# Altium PCB LOGI-BONE.PcbDoc (part 3 of 4)
Units mil, origin at the board's own origin, x right, y up, seen from the top; angles counter-clockwise.
Board outline 3400 x 2252.63 mil, 4 copper layers (Top Layer, GND, VDD, Bottom Layer); 132 components, 150 nets, 640 pads, 358 vias.
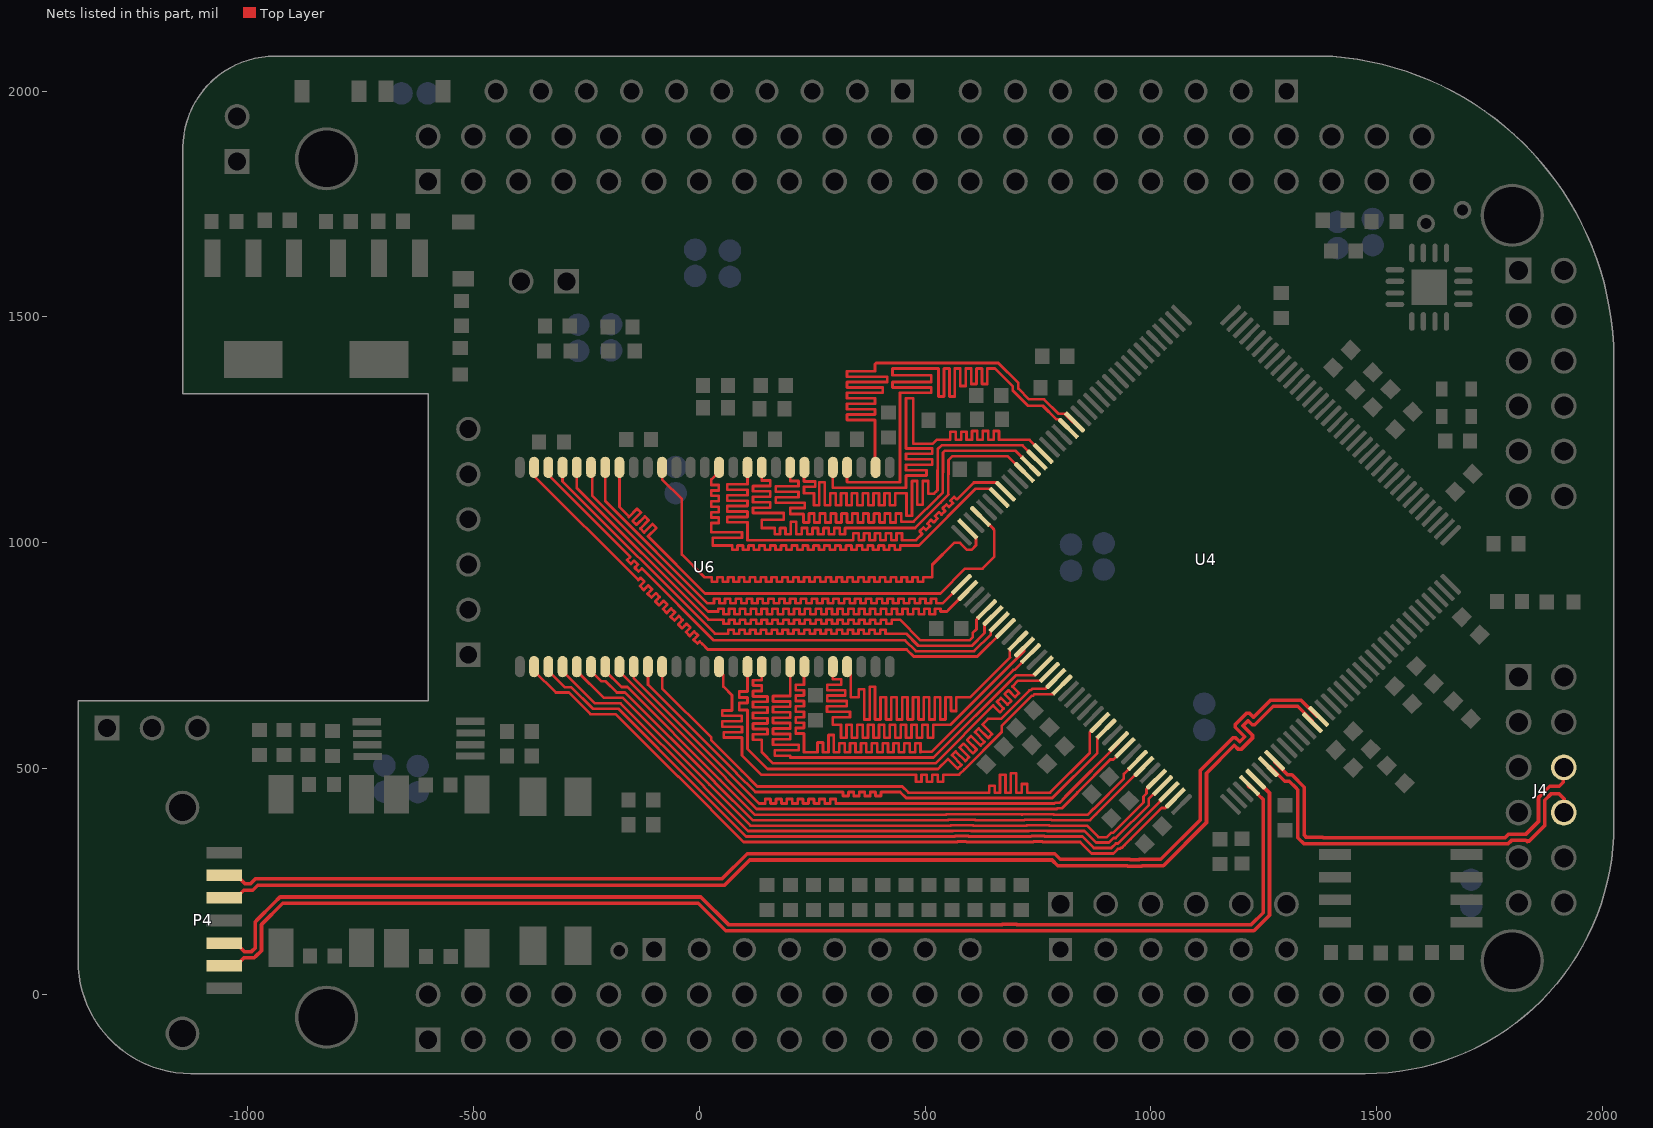
[diagram p5: the nets of this part, all layers, seen from the top]

## Via types
v1: diameter 27, hole 13, Top Layer to Bottom Layer, tented both sides, 194 vias
v2: diameter 27, hole 13, Top Layer to Bottom Layer, 158 vias
v3: diameter 25.98, hole 12.99, Top Layer to Bottom Layer, tented both sides, 4 vias
v4: diameter 27, hole 15, Top Layer to Bottom Layer, tented both sides, 2 vias

## Nets (pads, with @x,y where several pads share a name; then routed paths per layer and width w, separated by ;. In a path a pad name is that pad's centre, name@x,y a point inside that pad or via, vN(x,y) a via of type N, cw(c..) or ccw(c..) an arc to the next point about the centre after c; other vN are vias at no path point) (continued)
PMOD2_9_10_LVDS4_B_N: J4.10 U4.43 | length 903.2
  Top Layer w8: U4.43@1259.92,504.59 1264.41,504.59 1296.58,472.43 1306.37,472.43 1320.13,458.66 ; 1321.5,457.3 1325.35,453.45 1325.35,347.32 1338.73,333.93 1374.97,333.93 1375.37,333.53 1790.28,333.53 1798.05,341.31 1829.95,341.31 1833.02,338.23 1834.79,340 1837.62,340 1872,374.38 1872,430.28 1886.72,445 1902.96,445 1915,432.96 1914,431.96 J4.10@1914,402.81
PMOD2_9_10_LVDS4_B_P: J4.9 U4.44 | length 889.4
  Top Layer w8: U4.44@1273.84,518.51 1273.84,514.96 1302.38,486.43 1312.17,486.43 1339.35,459.25 1339.35,353.12 1344.53,347.93 1380.77,347.93 1381.17,347.53 1784.48,347.53 1792.25,355.31 1830.3,355.31 1858,383.01 1858,436.08 1865,443.08 1865,443.27 1882.73,461 1904,461 1913,470 1913,501.81 J4.9@1914,502.81
SATA_D1_N: P4.3 U4.40 | length 2725.9
  Top Layer w8: P4.3@-1051,114 -1026,114 -1007.22,95.22 -990.9,95.22 -983,103.12 -983,160.8 -978.9,164.9 -941.8,202 -927.8,216 3.71,216 64.71,155 670.8,155 671.3,155.5 702.36,155.5 702.86,155 1222.2,155 1248.5,181.3 1248.5,431.76 1237.59,442.67 1237.59,443.42 U4.40@1218.17,462.84
  Top Layer w10: U4.40@1216.86,462.84 U4.40@1218.17,462.84 1218.17,461.53 U4.40@1219.25,460.45
SATA_D1_P: P4.2 U4.41 | length 2758.3
  Top Layer w8: P4.2@-1051,64 -1025,64 -1007.78,81.22 -1001.2,81.22 -985.1,81.22 -981,85.32 -969,97.32 -969,155 -922,202 -2.09,202 58.91,141 676.6,141 677.1,141.5 696.56,141.5 697.06,141 1228,141 1262.5,175.5 1262.5,446.34 U4.41@1232.09,476.76
SATA_D2_N: P4.5 U4.50 | length 2737.3
  Top Layer w8: P4.5@-1051,214 -1025,214 -1008,231 -988.3,231 -977.3,242 56,242 112,298 781.2,298 793.7,285.5 947.47,285.5 948.47,284.5 979.53,284.5 980.53,285.5 1027.72,285.5 1123,380.78 1123,490.23 1184.57,551.8 1193.69,542.68 1199.49,542.68 1224.8,568 1224.8,573.8 1203.66,594.94 1214.98,606.25 1224.1,597.13 1229.9,597.13 1270.77,638 1325.29,638 1357.36,605.93 U4.50@1357.36,602.03
SATA_D2_P: P4.6 U4.51 | length 2749.8
  Top Layer w8: P4.6@-1051,264 -1024,264 -1005,245 -994.1,245 -983.1,256 50.2,256 106.2,312 787,312 799.5,299.5 953.27,299.5 954.27,298.5 973.73,298.5 974.73,299.5 1021.92,299.5 1109,386.58 1109,496.03 1181.67,568.7 1187.47,568.7 1196.59,559.58 1207.9,570.9 1186.76,592.04 1186.76,597.84 1212.08,623.15 1217.88,623.15 1227,614.03 1264.97,652 1331.62,652 1367.67,615.95 U4.51@1371.28,615.95
SD-A0: U4.5 U6.23 | length 1426.9
  Top Layer w6: U6.23@-271,1167.02 -271,1121.39 20.39,830 54,830 54,821 66,821 66,830 78,830 78,821 90,821 90,830 102,830 102,821 114,821 114,830 126,830 126,821 138,821 138,830 150,830 150,821 162,821 162,830 174,830 174,821 186,821 186,830 198,830 198,821 210,821 210,830 222,830 222,821 234,821 234,830 246,830 246,821 258,821 258,830 270,830 270,821 282,821 282,830 294,830 294,821 306,821 306,830 318,830 318,821 330,821 330,830 342,830 342,821 354,821 354,830 366,830 366,821 378,821 378,830 390,830 390,821 402,821 402,830 414,830 414,821 426,821 426,830 444.18,830 489.91,784.27 598.7,784.27 605.33,790.9 605.33,800.09 613.97,808.73 613.97,830.21 U4.5@636.33,852.58
SD-A1: U4.6 U6.24 | length 1443.6
  Top Layer w6: U6.24@-302.49,1167.02 -302.49,1135.91 34.56,798.86 64.56,798.86 64.56,807.86 76.56,807.86 76.56,798.86 88.56,798.86 88.56,807.86 100.56,807.86 100.56,798.86 112.56,798.86 112.56,807.86 124.56,807.86 124.56,798.86 136.56,798.86 136.56,807.86 148.56,807.86 148.56,798.86 160.56,798.86 160.56,807.86 172.56,807.86 172.56,798.86 184.56,798.86 184.56,807.86 196.56,807.86 196.56,798.86 208.56,798.86 208.56,807.86 220.56,807.86 220.56,798.86 232.56,798.86 232.56,807.86 244.56,807.86 244.56,798.86 256.56,798.86 256.56,807.86 268.56,807.86 268.56,798.86 280.56,798.86 280.56,807.86 292.56,807.86 292.56,798.86 304.56,798.86 304.56,807.86 316.56,807.86 316.56,798.86 328.56,798.86 328.56,807.86 340.56,807.86 340.56,798.86 352.56,798.86 352.56,807.86 364.56,807.86 364.56,798.86 376.56,798.86 376.56,807.86 388.56,807.86 388.56,798.86 400.56,798.86 400.56,807.86 412.56,807.86 412.56,798.86 458.35,798.86 484.94,772.27 603.67,772.27 631.83,800.43 631.83,820.24 U4.6@650.25,838.66
SD-A2: U4.7 U6.25 | length 1248.3
  Top Layer w6: U6.25@-333.99,1167.02 -333.99,1150.44 -152.54,968.99 -159.61,961.92 -151.12,953.43 -144.05,960.5 -135.57,952.02 -142.64,944.95 -134.15,936.46 -127.08,943.53 32.18,784.27 455.97,784.27 479.97,760.27 608.64,760.27 645.75,797.38 645.75,806.32 U4.7@664.17,824.74
SD-A3: U4.8 U6.26 | length 1477.8
  Top Layer w6: U6.26@-365.48,1167.02 -365.48,1148.48 -139,922 -134.76,917.76 -129.81,922.71 -121.32,914.22 -126.27,909.27 -131.22,904.32 -122.74,895.84 -117.79,900.79 -112.84,905.74 -104.35,897.25 -109.3,892.3 -114.25,887.35 -105.77,878.87 -100.82,883.82 -95.87,888.77 -87.38,880.28 -92.33,875.33 -97.28,870.38 -88.8,861.9 -83.85,866.85 -78.9,871.8 -70.41,863.31 -75.36,858.36 -80.31,853.41 -71.82,844.93 -66.88,849.88 -61.93,854.82 -53.44,846.34 -58.39,841.39 -63.34,836.44 -54.85,827.95 -49.9,832.9 -44.95,837.85 -36.47,829.37 -41.42,824.42 -46.37,819.47 -37.88,810.98 -32.93,815.93 -27.98,820.88 -19.5,812.4 -24.45,807.45 -29.4,802.5 -20.91,794.01 -15.96,798.96 -11.01,803.91 -2.53,795.43 -7.48,790.48 -12.43,785.53 -3.94,777.04 1.01,781.99 7,776 19,764 459.27,764 475,748.27 615.54,748.27 U4.8@678.09,810.82
SD-A4: U4.35 U6.29 | length 1648.9
  Top Layer w6: U6.29@-365.48,726.08 -365.48,716.74 -317.36,668.61 -288.31,668.61 -240.5,620.8 -185.05,620.8 -47.09,482.84 -46.28,482.84 98.56,338 571.09,338 572.06,338.97 590.69,338.97 591.66,338 739.71,338 740.68,338.97 759.32,338.97 760.29,338 843.27,338 868.77,312.5 917.23,312.5 927.28,322.55 931.85,322.55 934.3,325 935.77,325 941.5,330.73 941.5,331.32 954.68,344.5 955.27,344.5 1023.88,413.12 1032.04,413.12 U4.35@1053.92,435
SD-A5: U4.34 U6.30 | length 1599.8
  Top Layer w6: U6.30@-333.99,726.08 -333.99,716.74 -297.86,680.61 -283.34,680.61 -235.53,632.8 -179.01,632.8 -1.5,455.29 -1.5,455.03 103.53,350 566.12,350 567.08,350.97 595.67,350.97 596.63,350 734.74,350 735.71,350.97 764.29,350.97 765.26,350 848.24,350 873.74,324.5 912.26,324.5 922.31,334.55 926.88,334.55 1040,447.67 U4.34@1040,448.92
SD-A6: U4.33 U6.31 | length 1557.5
  Top Layer w6: U6.31@-302.49,726.08 -302.49,716.74 -230.55,644.8 -174.04,644.8 10.5,460.26 10.5,460 108.5,362 561.15,362 562.11,362.97 600.64,362.97 601.6,362 729.77,362 730.74,362.97 769.26,362.97 770.23,362 853.21,362 878.71,336.5 907.29,336.5 917.34,346.55 921.91,346.55 995.45,420.09 995.45,433.76 1024.53,462.84 U4.33@1026.08,462.84
SD-A7: U4.32 U6.32 | length 1513.4
  Top Layer w6: U6.32@-271,726.08 -271,716.74 -211.06,656.8 -169.07,656.8 22.5,465.23 22.5,464.97 113.47,374 556.18,374 557.14,374.97 605.61,374.97 606.57,374 724.8,374 725.77,374.97 774.23,374.97 775.2,374 858.18,374 883.68,348.5 902.32,348.5 912.37,358.55 916.94,358.55 983.45,425.06 983.45,438.73 990.09,445.36 990.09,454.69 U4.32@1012.16,476.76
SD-A8: U4.30 U6.33 | length 1421
  Top Layer w6: U6.33@-239.5,726.08 -239.5,716.74 -216.22,693.45 -206.88,693.45 -182.22,668.8 -164.1,668.8 34.5,470.2 34.5,469.94 118.44,386 551.21,386 552.17,386.97 610.58,386.97 611.54,386 719.83,386 720.8,386.97 779.2,386.97 780.17,386 864.97,386 865.55,386.58 ; 865.58,386.58 878.38,399.38 878.54,399.38 983.75,504.59 U4.30@984.32,504.59
SD-A9: U4.29 U6.34 | length 1377.5
  Top Layer w6: U6.34@-208,726.08 -208,716.74 -172.07,680.8 -159.13,680.8 46.5,475.17 46.5,474.91 123.41,398 546.24,398 547.2,398.97 713.89,398.97 714.86,398 715.83,398.97 784.17,398.97 785.14,398 860,398 873.38,411.38 873.57,411.38 940.09,477.9 940.09,488.2 U4.29@970.4,518.51
SD-A10: U4.2 U6.22 | length 1512.7
  Top Layer w6: U6.22@-239.5,1167.02 -237,1164.52 -237,1104.36 19.36,848 36,848 42,848 42,854 54,854 54,848 54,842 66,842 66,848 66,854 78,854 78,848 78,842 90,842 90,848 90,854 102,854 102,848 102,842 114,842 114,848 114,854 126,854 126,848 126,842 138,842 138,848 138,854 150,854 150,848 150,842 162,842 162,848 162,854 174,854 174,848 174,842 186,842 186,848 186,854 198,854 198,848 198,842 210,842 210,848 210,854 222,854 222,848 222,842 234,842 234,848 234,854 246,854 246,848 246,842 258,842 258,848 258,854 270,854 270,848 270,842 282,842 282,848 282,854 294,854 294,848 294,842 306,842 306,848 306,854 318,854 318,848 318,842 330,842 330,848 330,854 342,854 342,848 342,842 354,842 354,848 354,854 366,854 366,848 366,842 378,842 378,848 378,854 390,854 390,848 390,842 402,842 402,848 402,854 414,854 414,848 414,842 426,842 426,848 426,854 438,854 438,848 438,842 450,842 450,848 450,854 462,854 462,848 462,842 474,842 474,848 474,854 486,854 486,848 486,842 498,842 498,848 498,854 510,854 510,848 510,842 522,842 522,848 522,854 534,854 534,848 546,848 548.24,848 552.48,852.24 U4.2@594.58,894.34
SD-A11: U4.27 U6.35 | length 1314.4
  Top Layer w6: U6.35@-176.51,726.08 -176.51,715.15 58.5,480.14 58.5,479.88 128.38,410 129.35,410.97 789.51,410.97 790.47,410 793.02,412.55 802.99,412.55 837.18,446.74 837.18,447.77 910,520.59 916.8,520.59 U4.27@942.56,546.35
SD-A12: U4.26 U6.36 | length 1414.1
  Top Layer w6: U6.36@-145.01,726.08 -145.01,700.62 70.5,485.11 70.5,484.85 132.35,423 146,423 146,433 158,433 158,423 170,423 170,433 182,433 182,423 194,423 194,433 206,433 206,423 218,423 218,433 230,433 230,423 242,423 242,433 254,433 254,423 266,423 266,433 278,433 278,423 290,423 290,433 302,433 302,423 786.5,423 788.05,424.55 798.02,424.55 810.41,436.94 810.41,437.97 928.64,556.2 U4.26@928.64,560.27
SD-BA0: U4.141 U6.20 | length 1290.1
  Top Layer w6: U6.20@-176.51,1167.02 -176.51,1079.51 -155.79,1058.79 -155.79,1057.09 -137.4,1075.48 -128.92,1066.99 -147.3,1048.61 -138.82,1040.12 -120.43,1058.51 -111.95,1050.02 -130.33,1031.64 -121.85,1023.15 -103.46,1041.53 -94.98,1033.05 -113.36,1014.66 13.3,888 533.91,888 588.91,943 627,943 653,969 653,1028 651.46,1029.54 651.46,1031.22 624.09,1058.59 U4.141@622.41,1058.59
SD-BA1: U4.1 U6.21 | length 1394.6
  Top Layer w6: U6.21@-208,1167.02 -208,1092.34 18.33,866 33,866 33,876 45,876 45,866 57,866 57,876 69,876 69,866 81,866 81,876 93,876 93,866 105,866 105,876 117,876 117,866 129,866 129,876 141,876 141,866 153,866 153,876 165,876 165,866 177,866 177,876 189,876 189,866 201,866 201,876 213,876 213,866 225,866 225,876 237,876 237,866 249,866 249,876 261,876 261,866 273,866 273,876 285,876 285,866 297,866 297,876 309,876 309,866 321,866 321,876 333,876 333,866 345,866 345,876 357,876 357,866 369,866 369,876 381,876 381,866 393,866 393,876 405,876 405,866 417,866 417,876 429,876 429,866 441,866 441,876 453,876 453,866 465,866 465,876 477,876 477,866 489,866 489,876 501,876 501,866 513,866 513,876 525,876 525,866 538.4,866 U4.1@580.66,908.26
SD-CAS: U4.143 U6.17 | length 2794.7
  Top Layer w6: -82.02,1140.62 U6.17@-82.02,1167.02 -82.02,1140.62 ; -82.02,1140.62 -38.52,1097.12 ; -82.02,1140.62 -38.52,1097.12 ; -38.52,973.76 11.25,924 ; -38.52,973.76 11.25,924 ; -38.52,973.76 -38.52,1097.12 ; -38.52,973.76 -38.52,1097.12 ; 11.25,924 28,924 ; 11.25,924 28,924 ; 28,914 28,924 ; 28,914 40,914 ; 28,914 28,924 ; 28,914 40,914 ; 40,914 40,924 ; 40,914 40,924 ; 40,924 52,924 ; 40,924 52,924 ; 52,914 52,924 ; 52,914 64,914 ; 52,914 52,924 ; 52,914 64,914 ; 64,914 64,924 ; 64,914 64,924 ; 64,924 76,924 ; 64,924 76,924 ; 76,914 76,924 ; 76,914 88,914 ; 76,914 76,924 ; 76,914 88,914 ; 88,914 88,924 ; 88,914 88,924 ; 88,924 100,924 ; 88,924 100,924 ; 100,914 100,924 ; 100,914 112,914 ; 100,914 100,924 ; 100,914 112,914 ; 112,914 112,924 ; 112,914 112,924 ; 112,924 124,924 ; 112,924 124,924 ; 124,914 124,924 ; 124,914 136,914 ; 124,914 124,924 ; 124,914 136,914 ; 136,914 136,924 ; 136,914 136,924 ; 136,924 148,924 ; 136,924 148,924 ; 148,914 148,924 ; 148,914 160,914 ; 148,914 148,924 ; 148,914 160,914 ; 160,914 160,924 ; 160,914 160,924 ; 160,924 172,924 ; 160,924 172,924 ; 172,914 172,924 ; 172,914 184,914 ; 172,914 172,924 ; 172,914 184,914 ; 184,914 184,924 ; 184,914 184,924 ; 184,924 196,924 ; 184,924 196,924 ; 196,914 196,924 ; 196,914 208,914 ; 196,914 196,924 ; 196,914 208,914 ; 208,914 208,924 ; 208,914 208,924 ; 208,924 220,924 ; 208,924 220,924 ; 220,914 220,924 ; 220,914 232,914 ; 220,914 220,924 ; 220,914 232,914 ; 232,914 232,924 ; 232,914 232,924 ; 232,924 244,924 ; 232,924 244,924 ; 244,914 244,924 ; 244,914 256,914 ; 244,914 244,924 ; 244,914 256,914 ; 256,914 256,924 ; 256,914 256,924 ; 256,924 268,924 ; 256,924 268,924 ; 268,914 268,924 ; 268,914 280,914 ; 268,914 268,924 ; 268,914 280,914 ; 280,914 280,924 ; 280,914 280,924 ; 280,924 292,924 ; 280,924 292,924 ; 292,914 292,924 ; 292,914 304,914 ; 292,914 292,924 ; 292,914 304,914 ; 304,914 304,924 ; 304,914 304,924 ; 304,924 316,924 ; 304,924 316,924 ; 316,914 316,924 ; 316,914 328,914 ; 316,914 316,924 ; 316,914 328,914 ; 328,914 328,924 ; 328,914 328,924 ; 328,924 340,924 ; 328,924 340,924 ; 340,914 340,924 ; 340,914 352,914 ; 340,914 340,924 ; 340,914 352,914 ; 352,914 352,924 ; 352,914 352,924 ; 352,924 364,924 ; 352,924 364,924 ; 364,914 364,924 ; 364,914 376,914 ; 364,914 364,924 ; 364,914 376,914 ; 376,914 376,924 ; 376,914 376,924 ; 376,924 388,924 ; 376,924 388,924 ; 388,914 388,924 ; 388,914 400,914 ; 388,914 388,924 ; 388,914 400,914 ; 400,914 400,924 ; 400,914 400,924 ; 400,924 412,924 ; 400,924 412,924 ; 412,914 412,924 ; 412,914 424,914 ; 412,914 412,924 ; 412,914 424,914 ; 424,914 424,924 ; 424,914 424,924 ; 424,924 436,924 ; 424,924 436,924 ; 436,914 436,924 ; 436,914 448,914 ; 436,914 436,924 ; 436,914 448,914 ; 448,914 448,924 ; 448,914 448,924 ; 448,924 460,924 ; 448,924 460,924 ; 460,914 460,924 ; 460,914 472,914 ; 460,914 460,924 ; 460,914 472,914 ; 472,914 472,924 ; 472,914 472,924 ; 472,924 484,924 ; 472,924 484,924 ; 484,914 484,924 ; 484,914 496,914 ; 484,914 484,924 ; 484,914 496,914 ; 496,914 496,924 ; 496,914 496,924 ; 496,924 516,924 ; 496,924 508,924 496,924 ; 496,924 516,924 ; 516,924 516,951.5 ; 516,924 516,951.5 ; 516,951.5 564.5,1000 ; 516,951.5 564.5,1000 ; 564.5,1000 577.8,1000 ; 564.5,1000 577.8,1000 ; 577.8,1000 593.31,984.49 ; 577.8,1000 593.31,984.49 ; 593.31,984.49 602.8,984.49 ; 593.31,984.49 602.8,984.49 ; U4.143@594.58,1029.9 U4.143@594.58,1030.75 U4.143@594.58,1029.9 ; U4.143@594.58,1029.9 U4.143@613,1011.48 ; U4.143@594.58,1029.9 U4.143@613,1011.48 ; 602.8,984.49 613,994.68 ; 602.8,984.49 613,994.68 ; 613,994.68 U4.143@613,1011.48 ; 613,994.68 U4.143@613,1011.48
SD-CKE: U4.24 U6.37 | length 1314.2
  Top Layer w6: U6.37@-113.52,726.08 -113.52,686.1 82.5,490.08 82.5,489.82 124.32,448 124.87,448.55 318.42,448.55 318.42,439.55 330.42,439.55 330.42,448.55 342.42,448.55 342.42,439.55 354.42,439.55 354.42,448.55 366.42,448.55 366.42,439.55 378.42,439.55 378.42,448.55 390.42,448.55 390.42,439.55 402.42,439.55 402.42,448.55 444.83,448.55 458.38,435 781.53,435 881.37,534.83 881.37,568.67 U4.24@900.8,588.11
SD-CLK: U4.23 U6.38 | length 1441.6
  Top Layer w6: U6.38@-82.02,726.08 -82.02,677.85 26.83,569 26.83,562.72 94.5,495.05 94.5,494.79 128.54,460.75 449.59,460.75 463.35,447 642,447 642,462.44 654,462.44 654,447 666,447 666,486.44 678,486.44 678,447 690,447 690,490.21 702,490.21 702,447 714,447 714,466.21 726,466.21 726,447 776.56,447 864.9,535.34 864.9,580.05 U4.23@886.88,602.03
SD-DQ0: U4.126 U6.2 | length 1515
  Top Layer w6: U6.2@390.42,1147.14 U6.2@390.42,1167.02 389,1168.44 389,1236 389,1272 327,1272 327,1284 389,1284 389,1296 327,1296 327,1308 389,1308 389,1320 327,1320 327,1332 406.26,1332 406.26,1344 327,1344 327,1356 416,1356 416,1368 327,1368 327,1380 389,1380 389,1395.72 391.22,1397.94 662.06,1397.94 706.41,1353.59 706.41,1341.68 730.45,1317.64 763.45,1317.64 795.29,1285.8 U4.126@808.38,1285.8 ; U4.126@831.21,1267.38 U4.126@812.79,1285.8 ; U4.126@808.38,1285.8 826.8,1267.38 826.8,1273.2 812.79,1287.21 U4.126@812.79,1285.8 ; U4.126@808.38,1285.8 U4.126@812.79,1285.8
SD-DQ1: U4.127 U6.4 | length 1639.1
  Top Layer w6: U6.4@327.43,1167.02 327.43,1135.46 328.49,1134.4 444.73,1134.4 444.73,1252.92 444.42,1253.23 444.42,1268.77 444.73,1269.08 444.73,1308.03 444.42,1308.35 444.42,1332 513.62,1332 513.62,1344 428,1344 428,1356 513.62,1356 513.62,1371 428,1371 428,1385.94 530,1385.94 530,1323.94 542,1323.94 542,1385.94 554,1385.94 554,1323.94 566,1323.94 566,1385.94 578,1385.94 578,1347.4 590,1347.4 590,1385.94 602,1385.94 602,1351.73 614,1351.73 614,1385.94 626,1385.94 626,1351.73 638,1351.73 638,1385.94 655.06,1385.94 694.41,1346.59 694.41,1336.71 727.62,1303.5 760.62,1303.5 790.32,1273.8 796.95,1273.8 U4.127@817.29,1253.46
SD-DQ2: U4.131 U6.5 | length 2674.6
  Top Layer w6: 295.93,1122 U6.5@295.93,1167.02 295.93,1122 ; 295.93,1122 458,1122 ; 295.93,1122 458,1122 ; 458,1122 458,1149 ; 458,1122 458,1149 ; 458,1149 503.03,1149 ; 458,1149 503.03,1149 ; 458,1161 503.03,1161 ; 458,1161 458,1173 ; 458,1161 503.03,1161 ; 458,1161 458,1173 ; 458,1173 515.89,1173 ; 458,1173 515.89,1173 ; 458,1185 515.89,1185 ; 458,1185 458,1197 ; 458,1185 515.89,1185 ; 458,1185 458,1197 ; 458,1197 515.89,1197 ; 458,1197 515.89,1197 ; 458,1209 515.89,1209 ; 458,1209 458,1320 ; 458,1209 515.89,1209 ; 458,1209 458,1320 ; 458,1320 473.97,1320 ; 458,1320 473.97,1320 ; 473.97,1219.5 517.32,1219.5 ; 473.97,1219.5 473.97,1320 ; 473.97,1219.5 517.32,1219.5 ; 473.97,1219.5 473.97,1320 ; 503.03,1149 503.03,1161 ; 503.03,1149 503.03,1161 ; 515.89,1173 515.89,1185 ; 515.89,1173 515.89,1185 ; 515.89,1197 515.89,1209 ; 515.89,1197 515.89,1209 ; 517.32,1219.5 525.82,1228 ; 517.32,1219.5 525.82,1228 ; 525.82,1228 555.82,1228 ; 525.82,1228 555.82,1228 ; 555.82,1228 555.82,1245.82 ; 555.82,1228 555.82,1245.82 ; 555.82,1245.82 567.82,1245.82 ; 555.82,1245.82 567.82,1245.82 ; 567.82,1228 567.82,1245.82 ; 567.82,1228 579.82,1228 ; 567.82,1228 567.82,1245.82 ; 567.82,1228 579.82,1228 ; 579.82,1228 579.82,1245.94 ; 579.82,1228 579.82,1245.94 ; 579.82,1245.94 591.82,1245.94 ; 579.82,1245.94 591.82,1245.94 ; 591.82,1228 591.82,1245.94 ; 591.82,1228 603.82,1228 ; 591.82,1228 591.82,1245.94 ; 591.82,1228 603.82,1228 ; 603.82,1228 603.82,1247.82 ; 603.82,1228 603.82,1247.82 ; 603.82,1247.82 615.82,1247.82 ; 603.82,1247.82 615.82,1247.82 ; 615.82,1228 615.82,1247.82 ; 615.82,1228 627.82,1228 ; 615.82,1228 615.82,1247.82 ; 615.82,1228 627.82,1228 ; 627.82,1228 627.82,1247.82 ; 627.82,1228 627.82,1247.82 ; 627.82,1247.82 639.82,1247.82 ; 627.82,1247.82 639.82,1247.82 ; 639.82,1228 639.82,1247.82 ; 639.82,1228 651.82,1228 ; 639.82,1228 639.82,1247.82 ; 639.82,1228 651.82,1228 ; 651.82,1228 651.82,1247.82 ; 651.82,1228 651.82,1247.82 ; 651.82,1247.82 663.82,1247.82 ; 651.82,1247.82 663.82,1247.82 ; 663.82,1228 663.82,1247.82 ; 663.82,1228 731.39,1228 ; 663.82,1228 663.82,1247.82 ; 663.82,1228 731.39,1228 ; 731.39,1228 U4.131@761.61,1197.78 731.39,1228
SD-DQ3: U4.132 U6.7 | length 3052.6
  Top Layer w6: 231.81,1110 231.81,1123.89 ; 231.81,1110 254,1110 ; 231.81,1110 231.81,1123.89 ; 231.81,1110 254,1110 ; 231.81,1123.89 256.89,1123.89 ; 231.81,1123.89 256.89,1123.89 ; 231.81,1135.89 256.89,1135.89 ; 231.81,1135.89 U6.7@231.81,1165.89 ; 231.81,1135.89 231.81,1147.89 231.81,1135.89 ; 231.81,1135.89 256.89,1135.89 ; 231.81,1135.89 U6.7@231.81,1165.89 ; U6.7@231.81,1165.89 U6.7@232.94,1167.02 U6.7@231.81,1165.89 ; 254,1083 254,1110 ; 254,1083 266,1083 ; 254,1083 254,1110 ; 254,1083 266,1083 ; 256.89,1123.89 256.89,1135.89 ; 256.89,1123.89 256.89,1135.89 ; 266,1083 266,1134.46 ; 266,1083 266,1134.46 ; 266,1134.46 278,1134.46 ; 266,1134.46 278,1134.46 ; 278,1083 278,1134.46 ; 278,1083 290,1083 ; 278,1083 278,1134.46 ; 278,1083 290,1083 ; 290,1083 290,1110 ; 290,1083 290,1110 ; 290,1110 302,1110 ; 290,1110 302,1110 ; 302,1083 302,1110 ; 302,1083 314,1083 ; 302,1083 302,1110 ; 302,1083 314,1083 ; 314,1083 314,1110 ; 314,1083 314,1110 ; 314,1110 326,1110 ; 314,1110 326,1110 ; 326,1083 326,1110 ; 326,1083 338,1083 ; 326,1083 326,1110 ; 326,1083 338,1083 ; 338,1083 338,1110 ; 338,1083 338,1110 ; 338,1110 350,1110 ; 338,1110 350,1110 ; 350,1083 350,1110 ; 350,1083 362,1083 ; 350,1083 350,1110 ; 350,1083 362,1083 ; 362,1083 362,1110 ; 362,1083 362,1110 ; 362,1110 374,1110 ; 362,1110 374,1110 ; 374,1083 374,1110 ; 374,1083 386,1083 ; 374,1083 374,1110 ; 374,1083 386,1083 ; 386,1083 386,1110 ; 386,1083 386,1110 ; 386,1110 398,1110 ; 386,1110 398,1110 ; 398,1083 398,1110 ; 398,1083 410,1083 ; 398,1083 398,1110 ; 398,1083 410,1083 ; 410,1083 410,1110 ; 410,1083 410,1110 ; 410,1110 422,1110 ; 410,1110 422,1110 ; 422,1083 422,1110 ; 422,1083 434,1083 ; 422,1083 422,1110 ; 422,1083 434,1083 ; 434,1083 434,1110 ; 434,1083 434,1110 ; 434,1110 459,1110 ; 434,1110 459,1110 ; 459,1060.12 459,1110 ; 459,1060.12 459,1099 459,1060.12 ; 459,1060.12 471,1060.12 ; 459,1060.12 459,1110 ; 459,1060.12 471,1060.12 ; 471,1060.12 471,1137 ; 471,1060.12 471,1137 ; 471,1137 483,1137 ; 471,1137 483,1137 ; 483,1084.12 483,1137 ; 483,1084.12 495,1084.12 ; 483,1084.12 483,1137 ; 483,1084.12 495,1084.12 ; 495,1084.12 495,1137 ; 495,1084.12 495,1137 ; 495,1137 507,1137 ; 495,1137 507,1137 ; 507,1109 507,1137 ; 507,1109 519.88,1109 ; 507,1109 507,1137 ; 507,1109 519.88,1109 ; 519.88,1109 524.56,1113.68 ; 519.88,1109 524.56,1113.68 ; 524.56,1113.68 527.5,1116.62 ; 524.56,1113.68 527.5,1116.62 ; 527.5,1116.62 527.5,1161.03 ; 527.5,1116.62 527.5,1161.03 ; 527.5,1161.03 527.89,1161.42 ; 527.5,1161.03 527.89,1161.42 ; 527.89,1161.42 527.89,1207.18 ; 527.89,1161.42 527.89,1207.18 ; 527.89,1207.18 536.71,1216 ; 527.89,1207.18 536.71,1216 ; 536.71,1216 715.55,1216 ; 536.71,1216 715.55,1216 ; 715.55,1216 U4.132@747.69,1183.86 715.55,1216
SD-DQ4: U4.133 U6.8 | length 2817
  Top Layer w6: 169.45,1089.02 169.45,1101.02 ; 169.45,1089.02 233.45,1089.02 ; 169.45,1089.02 169.45,1101.02 ; 169.45,1089.02 233.45,1089.02 ; 169.45,1101.02 219.82,1101.02 ; 169.45,1101.02 219.82,1101.02 ; 169.45,1113.02 169.45,1125.02 ; 169.45,1113.02 219.82,1113.02 ; 169.45,1113.02 169.45,1125.02 ; 169.45,1113.02 219.82,1113.02 ; 169.45,1125.02 219.82,1125.02 ; 169.45,1125.02 219.82,1125.02 ; 201.45,1064 201.45,1077.02 ; 201.45,1064 231,1064 ; 201.45,1064 201.45,1077.02 ; 201.45,1064 231,1064 ; 201.45,1077.02 233.45,1077.02 ; 201.45,1077.02 233.45,1077.02 ; 201.45,1137.02 U6.8@201.45,1167.02 201.45,1137.02 ; 201.45,1137.02 219.82,1137.02 ; 201.45,1137.02 219.82,1137.02 ; 219.82,1101.02 219.82,1113.02 ; 219.82,1101.02 219.82,1113.02 ; 219.82,1125.02 219.82,1137.02 ; 219.82,1125.02 219.82,1137.02 ; 231,1045 243,1045 ; 231,1045 231,1064 ; 231,1045 243,1045 ; 231,1045 231,1064 ; 233.45,1077.02 233.45,1089.02 ; 233.45,1077.02 233.45,1089.02 ; 243,1045 243,1065 ; 243,1045 243,1065 ; 243,1065 255,1065 ; 243,1065 255,1065 ; 255,1045 255,1065 ; 255,1045 267,1045 ; 255,1045 255,1065 ; 255,1045 267,1045 ; 267,1045 267,1065 ; 267,1045 267,1065 ; 267,1065 279,1065 ; 267,1065 279,1065 ; 279,1045 279,1065 ; 279,1045 291,1045 ; 279,1045 279,1065 ; 279,1045 291,1045 ; 291,1045 291,1065 ; 291,1045 291,1065 ; 291,1065 303,1065 ; 291,1065 303,1065 ; 303,1045 303,1065 ; 303,1045 315,1045 ; 303,1045 303,1065 ; 303,1045 315,1045 ; 315,1045 315,1065 ; 315,1045 315,1065 ; 315,1065 327,1065 ; 315,1065 327,1065 ; 327,1045 327,1065 ; 327,1045 339,1045 ; 327,1045 327,1065 ; 327,1045 339,1045 ; 339,1045 339,1065 ; 339,1045 339,1065 ; 339,1065 351,1065 ; 339,1065 351,1065 ; 351,1045 351,1065 ; 351,1045 363,1045 ; 351,1045 351,1065 ; 351,1045 363,1045 ; 363,1045 363,1065 ; 363,1045 363,1065 ; 363,1065 375,1065 ; 363,1065 375,1065 ; 375,1045 375,1065 ; 375,1045 387,1045 ; 375,1045 375,1065 ; 375,1045 387,1045 ; 387,1045 387,1065 ; 387,1045 387,1065 ; 387,1065 399,1065 ; 387,1065 399,1065 ; 399,1045 399,1065 ; 399,1045 411,1045 ; 399,1045 399,1065 ; 399,1045 411,1045 ; 411,1045 411,1065 ; 411,1045 411,1065 ; 411,1065 423,1065 ; 411,1065 423,1065 ; 423,1045 423,1065 ; 423,1045 435,1045 ; 423,1045 423,1065 ; 423,1045 435,1045 ; 435,1045 435,1065 ; 435,1045 435,1065 ; 435,1065 447,1065 ; 435,1065 447,1065 ; 447,1047 447,1065 ; 447,1047 474.85,1047 ; 447,1047 447,1065 ; 447,1047 474.85,1047 ; 474.85,1047 529.53,1101.68 ; 474.85,1047 529.53,1101.68 ; 529.54,1101.68 539.5,1111.65 ; 529.54,1101.68 539.5,1111.65 ; 539.5,1111.65 539.5,1156.06 ; 539.5,1111.65 539.5,1156.06 ; 539.5,1156.06 539.89,1156.45 ; 539.5,1156.06 539.89,1156.45 ; 539.89,1156.45 539.89,1200.03 ; 539.89,1156.45 539.89,1200.03 ; 539.89,1200.03 543.86,1204 ; 539.89,1200.03 543.86,1204 ; 543.86,1204 699.71,1204 ; 543.86,1204 699.71,1204 ; 699.71,1204 U4.133@733.77,1169.94 699.71,1204
SD-DQ5: U4.134 U6.10 | length 2788.4
  Top Layer w6: 118.96,1066 118.96,1078 ; 118.96,1066 187.38,1066 ; 118.96,1066 118.96,1078 ; 118.96,1066 187.38,1066 ; 118.96,1078 157.45,1078 ; 118.96,1078 157.45,1078 ; 118.96,1090 118.96,1102 ; 118.96,1090 157.45,1090 ; 118.96,1090 118.96,1102 ; 118.96,1090 157.45,1090 ; 118.96,1102 157.45,1102 ; 118.96,1102 157.45,1102 ; 118.96,1114 118.96,1126 ; 118.96,1114 157.45,1114 ; 118.96,1114 118.96,1126 ; 118.96,1114 157.45,1114 ; 118.96,1126 157.49,1126 ; 118.96,1126 157.49,1126 ; 138.46,1033 167,1033 ; 138.46,1033 138.46,1051 ; 138.46,1033 167,1033 ; 138.46,1033 138.46,1051 ; 138.46,1051 187.38,1051 ; 138.46,1051 187.38,1051 ; 138.46,1138 U6.10@138.45,1167.02 138.46,1138 ; 138.46,1138 157.49,1138 ; 138.46,1138 157.49,1138 ; 157.45,1078 157.45,1090 ; 157.45,1078 157.45,1090 ; 157.45,1102 157.45,1114 ; 157.45,1102 157.45,1114 ; 157.49,1126 157.49,1138 ; 157.49,1126 157.49,1138 ; 167,1019 167,1033 ; 167,1019 179,1019 ; 167,1019 167,1033 ; 167,1019 179,1019 ; 179,1019 179,1033 ; 179,1019 179,1033 ; 179,1033 191,1033 ; 179,1033 191,1033 ; 187.38,1051 187.38,1066 ; 187.38,1051 187.38,1066 ; 191,1019 191,1033 ; 191,1019 203,1019 ; 191,1019 191,1033 ; 191,1019 203,1019 ; 203,1019 203,1047 ; 203,1019 203,1047 ; 203,1047 215,1047 ; 203,1047 215,1047 ; 215,1019 215,1047 ; 215,1019 227,1019 ; 215,1019 215,1047 ; 215,1019 227,1019 ; 227,1019 227,1033 ; 227,1019 227,1033 ; 227,1033 239,1033 ; 227,1033 239,1033 ; 239,1019 239,1033 ; 239,1019 251,1019 ; 239,1019 239,1033 ; 239,1019 251,1019 ; 251,1019 251,1033 ; 251,1019 251,1033 ; 251,1033 263,1033 ; 251,1033 263,1033 ; 263,1019 263,1033 ; 263,1019 275,1019 ; 263,1019 263,1033 ; 263,1019 275,1019 ; 275,1019 275,1033 ; 275,1019 275,1033 ; 275,1033 287,1033 ; 275,1033 287,1033 ; 287,1019 287,1033 ; 287,1019 299,1019 ; 287,1019 287,1033 ; 287,1019 299,1019 ; 299,1019 299,1033 ; 299,1019 299,1033 ; 299,1033 311,1033 ; 299,1033 311,1033 ; 311,1019 311,1033 ; 311,1019 323,1019 ; 311,1019 311,1033 ; 311,1019 323,1019 ; 323,1019 323,1033 ; 323,1019 323,1033 ; 323,1033 478,1033 ; 323,1033 478,1033 ; 478,1033 534.5,1089.5 ; 478,1033 534.5,1089.5 ; 534.5,1089.5 534.5,1089.68 ; 534.5,1089.5 534.5,1089.68 ; 534.5,1089.68 551.89,1107.07 ; 534.5,1089.68 551.89,1107.07 ; 551.5,1107.46 551.89,1107.07 ; 551.5,1107.46 551.5,1151.09 ; 551.5,1107.46 551.89,1107.07 ; 551.5,1107.46 551.5,1151.09 ; 551.5,1151.09 551.89,1151.48 ; 551.5,1151.09 551.89,1151.48 ; 551.89,1151.48 551.89,1183.46 ; 551.89,1151.48 551.89,1183.46 ; 551.89,1183.46 560.43,1192 ; 551.89,1183.46 560.43,1192 ; 560.43,1192 682.27,1192 ; 560.43,1192 682.27,1192 ; 682.27,1192 U4.134@718.25,1156.02 ; 682.27,1192 U4.134@718.25,1156.02 ; U4.134@718.25,1156.02 U4.134@719.85,1156.02 U4.134@718.25,1156.02
SD-DQ6: U4.137 U6.11 | length 2767.4
  Top Layer w6: 61.96,1045.46 61.96,1057.46 ; 61.96,1045.46 106.96,1045.46 ; 61.96,1045.46 61.96,1057.46 ; 61.96,1045.46 106.96,1045.46 ; 61.96,1057.46 106.96,1057.46 ; 61.96,1057.46 106.96,1057.46 ; 61.96,1069.46 61.96,1081.46 ; 61.96,1069.46 106.96,1069.46 ; 61.96,1069.46 61.96,1081.46 ; 61.96,1069.46 106.96,1069.46 ; 61.96,1081.46 106.96,1081.46 ; 61.96,1081.46 106.96,1081.46 ; 61.96,1093.46 61.96,1105.46 ; 61.96,1093.46 106.96,1093.46 ; 61.96,1093.46 61.96,1105.46 ; 61.96,1093.46 106.96,1093.46 ; 61.96,1105.46 106.96,1105.46 ; 61.96,1105.46 106.96,1105.46 ; 61.96,1117.46 61.96,1129.46 ; 61.96,1117.46 106.96,1117.46 ; 61.96,1117.46 61.96,1129.46 ; 61.96,1117.46 106.96,1117.46 ; 61.96,1129.46 106.96,1129.46 ; 61.96,1129.46 106.96,1129.46 ; 106.96,1006 106.96,1045.46 ; 106.96,1006 341,1006 ; 106.96,1006 106.96,1045.46 ; 106.96,1006 341,1006 ; 106.96,1057.46 106.96,1069.46 ; 106.96,1057.46 106.96,1069.46 ; 106.96,1081.46 106.96,1093.46 ; 106.96,1081.46 106.96,1093.46 ; 106.96,1105.46 106.96,1117.46 ; 106.96,1105.46 106.96,1117.46 ; 106.96,1129.46 U6.11@106.96,1167.02 106.96,1129.46 ; 341,1006 341,1021 ; 341,1006 341,1021 ; 341,1021 353,1021 ; 341,1021 353,1021 ; 353,1006 353,1021 ; 353,1006 365,1006 ; 353,1006 353,1021 ; 353,1006 365,1006 ; 365,1006 365,1021 ; 365,1006 365,1021 ; 365,1021 377,1021 ; 365,1021 377,1021 ; 377,1006 377,1021 ; 377,1006 389,1006 ; 377,1006 377,1021 ; 377,1006 389,1006 ; 389,1006 389,1021 ; 389,1006 389,1021 ; 389,1021 401,1021 ; 389,1021 401,1021 ; 401,1006 401,1021 ; 401,1006 413,1006 ; 401,1006 401,1021 ; 401,1006 413,1006 ; 413,1006 413,1021 ; 413,1006 413,1021 ; 413,1021 425,1021 ; 413,1021 425,1021 ; 425,1006 425,1021 ; 425,1006 437,1006 ; 425,1006 425,1021 ; 425,1006 437,1006 ; 437,1006 437,1021 ; 437,1006 437,1021 ; 437,1021 449,1021 ; 437,1021 449,1021 ; 449,1006 449,1021 ; 449,1006 479.82,1006 ; 449,1006 449,1021 ; 449,1006 479.82,1006 ; 479.82,1006 493.8,1019.98 ; 479.82,1006 493.8,1019.98 ; 488.14,1025.64 496.63,1034.12 ; 488.14,1025.64 493.8,1019.98 ; 488.14,1025.64 496.63,1034.12 ; 488.14,1025.64 493.8,1019.98 ; 496.63,1034.12 502.28,1028.46 ; 496.63,1034.12 502.28,1028.46 ; 502.28,1028.46 510.77,1036.95 ; 502.28,1028.46 510.77,1036.95 ; 505.11,1042.61 513.6,1051.09 ; 505.11,1042.61 510.77,1036.95 ; 505.11,1042.61 513.6,1051.09 ; 505.11,1042.61 510.77,1036.95 ; 513.6,1051.09 519.26,1045.44 ; 513.6,1051.09 519.26,1045.44 ; 519.26,1045.44 527.74,1053.92 ; 519.26,1045.44 527.74,1053.92 ; 522.08,1059.58 530.57,1068.06 ; 522.08,1059.58 527.74,1053.92 ; 522.08,1059.58 530.57,1068.06 ; 522.08,1059.58 527.74,1053.92 ; 530.57,1068.06 536.23,1062.41 ; 530.57,1068.06 536.23,1062.41 ; 536.23,1062.41 544.71,1070.89 ; 536.23,1062.41 544.71,1070.89 ; 539.05,1076.55 547.54,1085.03 ; 539.05,1076.55 544.71,1070.89 ; 539.05,1076.55 547.54,1085.03 ; 539.05,1076.55 544.71,1070.89 ; 547.54,1085.03 553.2,1079.38 ; 547.54,1085.03 553.2,1079.38 ; 553.2,1079.38 561.68,1087.86 ; 553.2,1079.38 561.68,1087.86 ; 556.02,1093.52 564.51,1102 ; 556.02,1093.52 561.68,1087.86 ; 556.02,1093.52 564.51,1102 ; 556.02,1093.52 561.68,1087.86 ; 564.51,1102 570.17,1096.35 ; 564.51,1102 570.17,1096.35 ; 570.17,1096.35 571.17,1096.35 ; 570.17,1096.35 571.17,1096.35 ; 571.17,1096.35 607.52,1132.7 ; 571.17,1096.35 607.52,1132.7 ; 607.52,1132.7 607.52,1133.7 ; 607.52,1132.7 607.52,1133.7 ; 607.52,1133.7 U4.137@658.65,1133.7 ; 607.52,1133.7 U4.137@658.65,1133.7 ; U4.137@658.65,1133.7 U4.137@678.09,1114.26 U4.137@658.65,1133.7
SD-DQ7: U4.138 U6.13 | length 1423.3
  Top Layer w6: U6.13@43.97,1167.02 43.97,1157.68 27,1140.72 27,1128 43,1128 43,1116 27,1116 27,1104 43,1104 43,1092 27,1092 27,1080 43,1080 43,1068 27,1068 27,1056 43,1056 43,1044 27,1044 27,1023.35 57,1023.35 81,1023.35 94.96,1023.35 94.96,1011.35 64.96,1011.35 40.96,1011.35 30,1011.35 30,994 73,994 73,985 85,985 85,994 97,994 97,985 109,985 109,994 121,994 121,985 133,985 133,994 145,994 145,985 157,985 157,994 169,994 169,985 181,985 181,994 193,994 193,985 205,985 205,994 217,994 217,985 229,985 229,994 241,994 241,985 253,985 253,994 265,994 265,985 277,985 277,994 289,994 289,985 301,985 301,994 313,994 313,985 325,985 325,994 337,994 337,985 349,985 349,994 361,994 361,985 373,985 373,994 385,994 385,985 397,985 397,994 409,994 409,985 421,985 421,994 433,994 433,985 445,985 445,994 486.37,994 612.15,1119.78 644.73,1119.78 U4.138@664.17,1100.35
SD-DQ8: U4.17 U6.42 | length 1353.2
  Top Layer w6: U6.42@43.97,726.08 43.97,716.74 53.5,707.2 53.5,681.61 72.5,662.61 72.5,629.05 50.83,629.05 50.83,617.05 94,617.05 94,605.05 50.83,605.05 50.83,593.05 94.96,593.05 94.96,581.05 54.44,581.05 54.44,569.05 94.96,569.05 94.96,529.13 137.31,486.78 480,486.78 480,471 492,471 492,486.78 504,486.78 504,471 516,471 516,486.78 528,486.78 528,471 540,471 540,486.78 575.61,486.78 587,498.17 669.55,580.72 669.55,594.94 736.06,661.46 738.88,661.46 742.48,665.05 782.87,665.05 U4.17@803.37,685.55
SD-DQ9: U4.16 U6.44 | length 1365.7
  Top Layer w6: U6.44@106.96,726.08 106.96,671 88.96,671 88.96,657.71 106.96,657.71 106.96,645.45 88.96,645.45 88.96,630 106.96,630 106.96,543.7 151.33,499.33 528.47,499.33 ; 538,508.87 528.47,499.33 ; 635.58,606.45 627.1,597.96 ; U4.16@789.45,699.47 767.03,677.05 737.51,677.05 733.91,673.46 731.09,673.46 668.02,610.38 639.52,610.38 627.1,597.96 ; 528.47,499.33 550.73,521.59 572.09,500.23 580.58,508.72 559.21,530.08 567.7,538.56 589.06,517.2 597.55,525.69 576.18,547.05 584.67,555.53 606.03,534.17 614.52,542.66 593.15,564.02 601.64,572.51 623,551.14 631.49,559.63 610.12,580.99 618.61,589.48 639.97,568.11 648.46,576.6 627.1,597.96
SD-DQ10: U4.15 U6.45 | length 1384.4
  Top Layer w6: U6.45@138.45,726.08 138.45,696 118.96,696 118.96,684 138.45,684 138.45,672 118.96,672 118.96,660 151.45,660 151.45,648 118.96,648 118.96,636 151.45,636 151.45,624 118.96,624 118.96,612 151.45,612 151.45,600 118.96,600 118.96,588 151.45,588 151.45,576 118.96,576 118.96,564 138.45,564 138.45,536.55 163,512 522.91,512 650.73,639.82 665.61,624.94 674.09,633.42 659.21,648.3 667.7,656.79 682.58,641.91 691.06,650.39 676.18,665.27 684.67,673.76 699.55,658.88 708.03,667.36 693.15,682.24 705.88,694.97 757.11,694.97 U4.15@775.53,713.39
SD-DQ11: U4.14 U6.47 | length 3664.6
  Top Layer w6: 163.45,553 220.08,553 ; 163.45,553 163.45,565 ; 163.45,553 163.45,565 ; 163.45,553 220.08,553 ; 163.45,553 163.45,565 ; 163.45,553 220.08,553 ; 163.45,565 201.45,565 ; 163.45,565 201.45,565 ; 163.45,565 201.45,565 ; 163.45,577 201.45,577 ; 163.45,577 163.45,589 ; 163.45,577 163.45,589 ; 163.45,577 201.45,577 ; 163.45,577 163.45,589 ; 163.45,577 201.45,577 ; 163.45,589 201.45,589 ; 163.45,589 201.45,589 ; 163.45,589 201.45,589 ; 163.45,601 201.45,601 ; 163.45,601 163.45,613 ; 163.45,601 163.45,613 ; 163.45,601 201.45,601 ; 163.45,601 163.45,613 ; 163.45,601 201.45,601 ; 163.45,613 201.45,613 ; 163.45,613 201.45,613 ; 163.45,613 201.45,613 ; 163.45,625 201.45,625 ; 163.45,625 163.45,637 ; 163.45,625 163.45,637 ; 163.45,625 201.45,625 ; 163.45,625 163.45,637 ; 163.45,625 201.45,625 ; 163.45,637 201.45,637 ; 163.45,637 201.45,637 ; 163.45,637 201.45,637 ; 163.45,649 201.45,649 ; 163.45,649 163.45,661 ; 163.45,649 163.45,661 ; 163.45,649 201.45,649 ; 163.45,649 163.45,661 ; 163.45,649 201.45,649 ; 163.45,661 201.45,661 ; 163.45,661 201.45,661 ; 163.45,661 201.45,661 ; 167.59,529 167.59,541 ; 167.59,529 201.45,529 ; 167.59,529 201.45,529 ; 167.59,529 167.59,541 ; 167.59,529 201.45,529 ; 167.59,529 167.59,541 ; 167.59,541 220.08,541 ; 167.59,541 220.08,541 ; 167.59,541 220.08,541 ; 201.45,524.66 201.45,529 ; 201.45,524.66 201.45,529 ; 201.45,524.66 201.45,529 ; 201.45,524.66 518.6,524.66 ; 201.45,524.66 518.6,524.66 ; 201.45,524.66 518.6,524.66 ; 201.45,565 201.45,577 ; 201.45,565 201.45,577 ; 201.45,565 201.45,577 ; 201.45,589 201.45,601 ; 201.45,589 201.45,601 ; 201.45,589 201.45,601 ; 201.45,613 201.45,625 ; 201.45,613 201.45,625 ; 201.45,613 201.45,625 ; 201.45,637 201.45,649 ; 201.45,637 201.45,649 ; 201.45,637 201.45,649 ; 201.45,661 U6.47@201.45,726.08 ; 201.45,661 U6.47@201.45,726.08 ; 201.45,661 U6.47@201.45,726.08 ; 220.08,541 220.08,553 ; 220.08,541 220.08,553 ; 220.08,541 220.08,553 ; 518.6,524.66 700.91,706.97 ; 518.6,524.66 700.91,706.97 ; 700.91,706.97 U4.14@741.27,706.97 ; 700.91,706.97 U4.14@741.27,706.97 ; U4.14@741.27,706.97 U4.14@761.61,727.3 U4.14@741.27,706.97
SD-DQ12: U4.12 U6.48 | length 1416.5
  Top Layer w6: 232.08,698 232.08,686 ; U6.48@232.94,726.08 232.08,726.08 232.08,686 ; U4.12@733.77,755.14 697.59,718.97 695.93,718.97 514.27,537.3 490.72,537.3 490.08,536.66 490.08,556.49 478.08,556.49 478.08,536.66 466.08,536.66 466.08,556.49 454.08,556.49 454.08,536.66 442.08,536.66 442.08,556.49 430.08,556.49 430.08,536.66 418.08,536.66 418.08,556.49 406.08,556.49 406.08,536.66 394.08,536.66 394.08,556.49 382.08,556.49 382.08,536.66 370.08,536.66 370.08,556.49 358.08,556.49 358.08,536.66 346.08,536.66 346.08,556.49 334.08,556.49 334.08,536.66 322.08,536.66 322.08,556.49 310.08,556.49 310.08,536.66 298.08,536.66 298.08,574.66 286.08,574.66 286.08,536.66 274.08,536.66 274.08,557.88 262.08,557.88 262.08,536.66 232.08,536.66 232.08,578 213.44,578 213.44,590 232.08,590 232.08,602 213.44,602 213.44,614 232.08,614 232.08,626 213.44,626 213.44,638 232.08,638 232.08,650 213.44,650 213.44,662 232.08,662 232.08,674 213.44,674 213.44,686 232.08,686
SD-DQ13: U4.11 U6.50 | length 2896.9
  Top Layer w6: 283.09,626 333.93,626 ; 283.09,626 283.09,638 ; 283.09,626 333.93,626 ; 283.09,626 283.09,638 ; 283.09,638 326.91,638 ; 283.09,638 326.91,638 ; 283.55,650 326.91,650 ; 283.55,650 283.55,662 ; 283.55,650 326.91,650 ; 283.55,650 283.55,662 ; 283.55,662 323.38,662 ; 283.55,662 323.38,662 ; 283.55,674 323.38,674 ; 283.55,674 283.55,686 ; 283.55,674 323.38,674 ; 283.55,674 283.55,686 ; 283.55,686 314.8,686 ; 283.55,686 314.8,686 ; 295.93,597.03 295.93,614 ; 295.93,597.03 313.93,597.03 ; 295.93,597.03 295.93,614 ; 295.93,597.03 313.93,597.03 ; 295.93,614 333.93,614 ; 295.93,614 333.93,614 ; 295.93,698 U6.50@295.93,726.08 295.93,698 ; 295.93,698 314.8,698 ; 295.93,698 314.8,698 ; 313.93,568.49 325.93,568.49 ; 313.93,568.49 313.93,597.03 ; 313.93,568.49 325.93,568.49 ; 313.93,568.49 313.93,597.03 ; 314.8,686 314.8,698 ; 314.8,686 314.8,698 ; 323.38,662 323.38,674 ; 323.38,662 323.38,674 ; 325.93,568.49 325.93,597.03 ; 325.93,568.49 325.93,597.03 ; 325.93,597.03 337.93,597.03 ; 325.93,597.03 337.93,597.03 ; 326.91,638 326.91,650 ; 326.91,638 326.91,650 ; 333.93,614 333.93,626 ; 333.93,614 333.93,626 ; 337.93,568.49 349.93,568.49 ; 337.93,568.49 337.93,597.03 ; 337.93,568.49 349.93,568.49 ; 337.93,568.49 337.93,597.03 ; 349.93,568.49 349.93,597.03 ; 349.93,568.49 349.93,597.03 ; 349.93,597.03 361.93,597.03 ; 349.93,597.03 361.93,597.03 ; 361.93,568.49 373.93,568.49 ; 361.93,568.49 361.93,597.03 ; 361.93,568.49 373.93,568.49 ; 361.93,568.49 361.93,597.03 ; 373.93,568.49 373.93,597.03 ; 373.93,568.49 373.93,597.03 ; 373.93,597.03 385.93,597.03 ; 373.93,597.03 385.93,597.03 ; 385.93,568.49 385.93,597.03 ; 385.93,568.49 397.93,568.49 ; 385.93,568.49 385.93,597.03 ; 385.93,568.49 397.93,568.49 ; 397.93,568.49 397.93,597.03 ; 397.93,568.49 397.93,597.03 ; 397.93,597.03 409.93,597.03 ; 397.93,597.03 409.93,597.03 ; 409.93,568.49 409.93,597.03 ; 409.93,568.49 421.93,568.49 ; 409.93,568.49 409.93,597.03 ; 409.93,568.49 421.93,568.49 ; 421.93,568.49 421.93,597.03 ; 421.93,568.49 421.93,597.03 ; 421.93,597.03 433.93,597.03 ; 421.93,597.03 433.93,597.03 ; 433.93,568.49 433.93,597.03 ; 433.93,568.49 445.93,568.49 ; 433.93,568.49 433.93,597.03 ; 433.93,568.49 445.93,568.49 ; 445.93,568.49 445.93,597.03 ; 445.93,568.49 445.93,597.03 ; 445.93,597.03 457.93,597.03 ; 445.93,597.03 457.93,597.03 ; 457.93,568.49 457.93,597.03 ; 457.93,568.49 469.93,568.49 ; 457.93,568.49 457.93,597.03 ; 457.93,568.49 469.93,568.49 ; 469.93,568.49 469.93,597.03 ; 469.93,568.49 469.93,597.03 ; 469.93,597.03 481.93,597.03 ; 469.93,597.03 481.93,597.03 ; 481.93,568.49 493.93,568.49 ; 481.93,568.49 481.93,597.03 ; 481.93,568.49 493.93,568.49 ; 481.93,568.49 481.93,597.03 ; 493.93,568.49 493.93,597.03 ; 493.93,568.49 493.93,597.03 ; 493.93,597.03 505.93,597.03 ; 493.93,597.03 505.93,597.03 ; 505.93,568.49 517.93,568.49 ; 505.93,568.49 505.93,597.03 ; 505.93,568.49 517.93,568.49 ; 505.93,568.49 505.93,597.03 ; 517.93,568.49 517.93,597.03 ; 517.93,568.49 517.93,597.03 ; 517.93,597.03 555.76,597.03 ; 517.93,597.03 555.76,597.03 ; 555.76,597.03 719.85,761.12 ; 555.76,597.03 719.85,761.12 ; 719.85,761.12 U4.11@719.85,769.06 719.85,761.12
SD-DQ14: U4.10 U6.51 | length 2876.3
  Top Layer w6: 335.38,658.5 335.38,662 ; 335.38,658.5 341.38,658.5 ; 335.38,658.5 335.38,662 ; 335.38,658.5 341.38,658.5 ; 335.38,662 335.38,674 ; 335.38,662 335.38,674 ; 335.38,674 335.38,686 ; 335.38,674 335.38,686 ; 335.38,686 335.38,698 ; 335.38,686 335.38,698 ; 335.38,698 335.38,704 ; 335.38,698 335.38,704 ; 335.38,704 U6.51@335.38,718.13 ; 335.38,704 U6.51@335.38,718.13 ; U6.51@335.38,718.13 U6.51@327.43,726.08 U6.51@335.38,718.13 ; 341.38,658.5 353.38,658.5 ; 341.38,658.5 353.38,658.5 ; 353.38,658.5 353.38,675.62 ; 353.38,658.5 353.38,675.62 ; 353.38,675.62 365.38,675.62 ; 353.38,675.62 365.38,675.62 ; 365.38,609.03 365.38,658.5 ; 365.38,609.03 377.38,609.03 ; 365.38,609.03 365.38,658.5 ; 365.38,609.03 377.38,609.03 ; 365.38,658.5 365.38,675.62 ; 365.38,658.5 365.38,675.62 ; 377.38,609.03 377.38,658.5 ; 377.38,609.03 377.38,658.5 ; 377.38,658.5 377.38,681.5 ; 377.38,658.5 377.38,681.5 ; 377.38,681.5 389.38,681.5 ; 377.38,681.5 389.38,681.5 ; 389.38,609.03 389.38,658.5 ; 389.38,609.03 401.38,609.03 ; 389.38,609.03 389.38,658.5 ; 389.38,609.03 401.38,609.03 ; 389.38,658.5 389.38,681.5 ; 389.38,658.5 389.38,681.5 ; 401.38,609.03 401.38,658.5 ; 401.38,609.03 401.38,658.5 ; 401.38,658.5 413.38,658.5 ; 401.38,658.5 413.38,658.5 ; 413.38,609.03 413.38,658.5 ; 413.38,609.03 425.38,609.03 ; 413.38,609.03 413.38,658.5 ; 413.38,609.03 425.38,609.03 ; 425.38,609.03 425.38,658.5 ; 425.38,609.03 425.38,658.5 ; 425.38,658.5 437.38,658.5 ; 425.38,658.5 437.38,658.5 ; 437.38,609.03 437.38,658.5 ; 437.38,609.03 449.38,609.03 ; 437.38,609.03 437.38,658.5 ; 437.38,609.03 449.38,609.03 ; 449.38,609.03 449.38,658.5 ; 449.38,609.03 449.38,658.5 ; 449.38,658.5 461.38,658.5 ; 449.38,658.5 461.38,658.5 ; 461.38,609.03 461.38,658.5 ; 461.38,609.03 473.38,609.03 ; 461.38,609.03 461.38,658.5 ; 461.38,609.03 473.38,609.03 ; 473.38,609.03 473.38,658.5 ; 473.38,609.03 473.38,658.5 ; 473.38,658.5 485.38,658.5 ; 473.38,658.5 485.38,658.5 ; 485.38,609.03 485.38,658.5 ; 485.38,609.03 497.38,609.03 ; 485.38,609.03 485.38,658.5 ; 485.38,609.03 497.38,609.03 ; 497.38,609.03 497.38,658.5 ; 497.38,609.03 497.38,658.5 ; 497.38,658.5 509.38,658.5 ; 497.38,658.5 509.38,658.5 ; 509.38,609.03 509.38,658.5 ; 509.38,609.03 521.38,609.03 ; 509.38,609.03 509.38,658.5 ; 509.38,609.03 521.38,609.03 ; 521.38,609.03 521.38,658.5 ; 521.38,609.03 521.38,658.5 ; 521.38,658.5 533.38,658.5 ; 521.38,658.5 533.38,658.5 ; 533.38,609.03 533.38,658.5 ; 533.38,609.03 545.38,609.03 ; 533.38,609.03 533.38,658.5 ; 533.38,609.03 545.38,609.03 ; 545.38,609.03 545.38,658.5 ; 545.38,609.03 545.38,658.5 ; 545.38,658.5 557.38,658.5 ; 545.38,658.5 557.38,658.5 ; 557.38,627.61 557.38,658.5 ; 557.38,627.61 569.38,627.61 ; 557.38,627.61 557.38,658.5 ; 557.38,627.61 569.38,627.61 ; 569.38,627.61 569.38,658.5 ; 569.38,627.61 569.38,658.5 ; 569.38,658.5 581.38,658.5 ; 569.38,658.5 581.38,658.5 ; 581.38,658.5 588,658.5 ; 581.38,658.5 588,658.5 ; 588,658.5 600.26,658.5 ; 588,658.5 600.26,658.5 ; 600.26,658.5 688.1,746.33 ; 600.26,658.5 688.1,746.33 ; 687.51,746.92 688.1,746.33 ; 687.51,746.92 U4.10@687.51,764.68 ; 687.51,746.92 688.1,746.33 ; 687.51,746.92 U4.10@687.51,764.68 ; U4.10@687.51,764.68 U4.10@705.81,782.98 ; U4.10@687.51,764.68 U4.10@705.81,782.98 ; U4.10@705.81,782.98 U4.10@705.93,782.98 U4.10@705.81,782.98